# KiCad board UniDebug.kicad_pcb (continued)
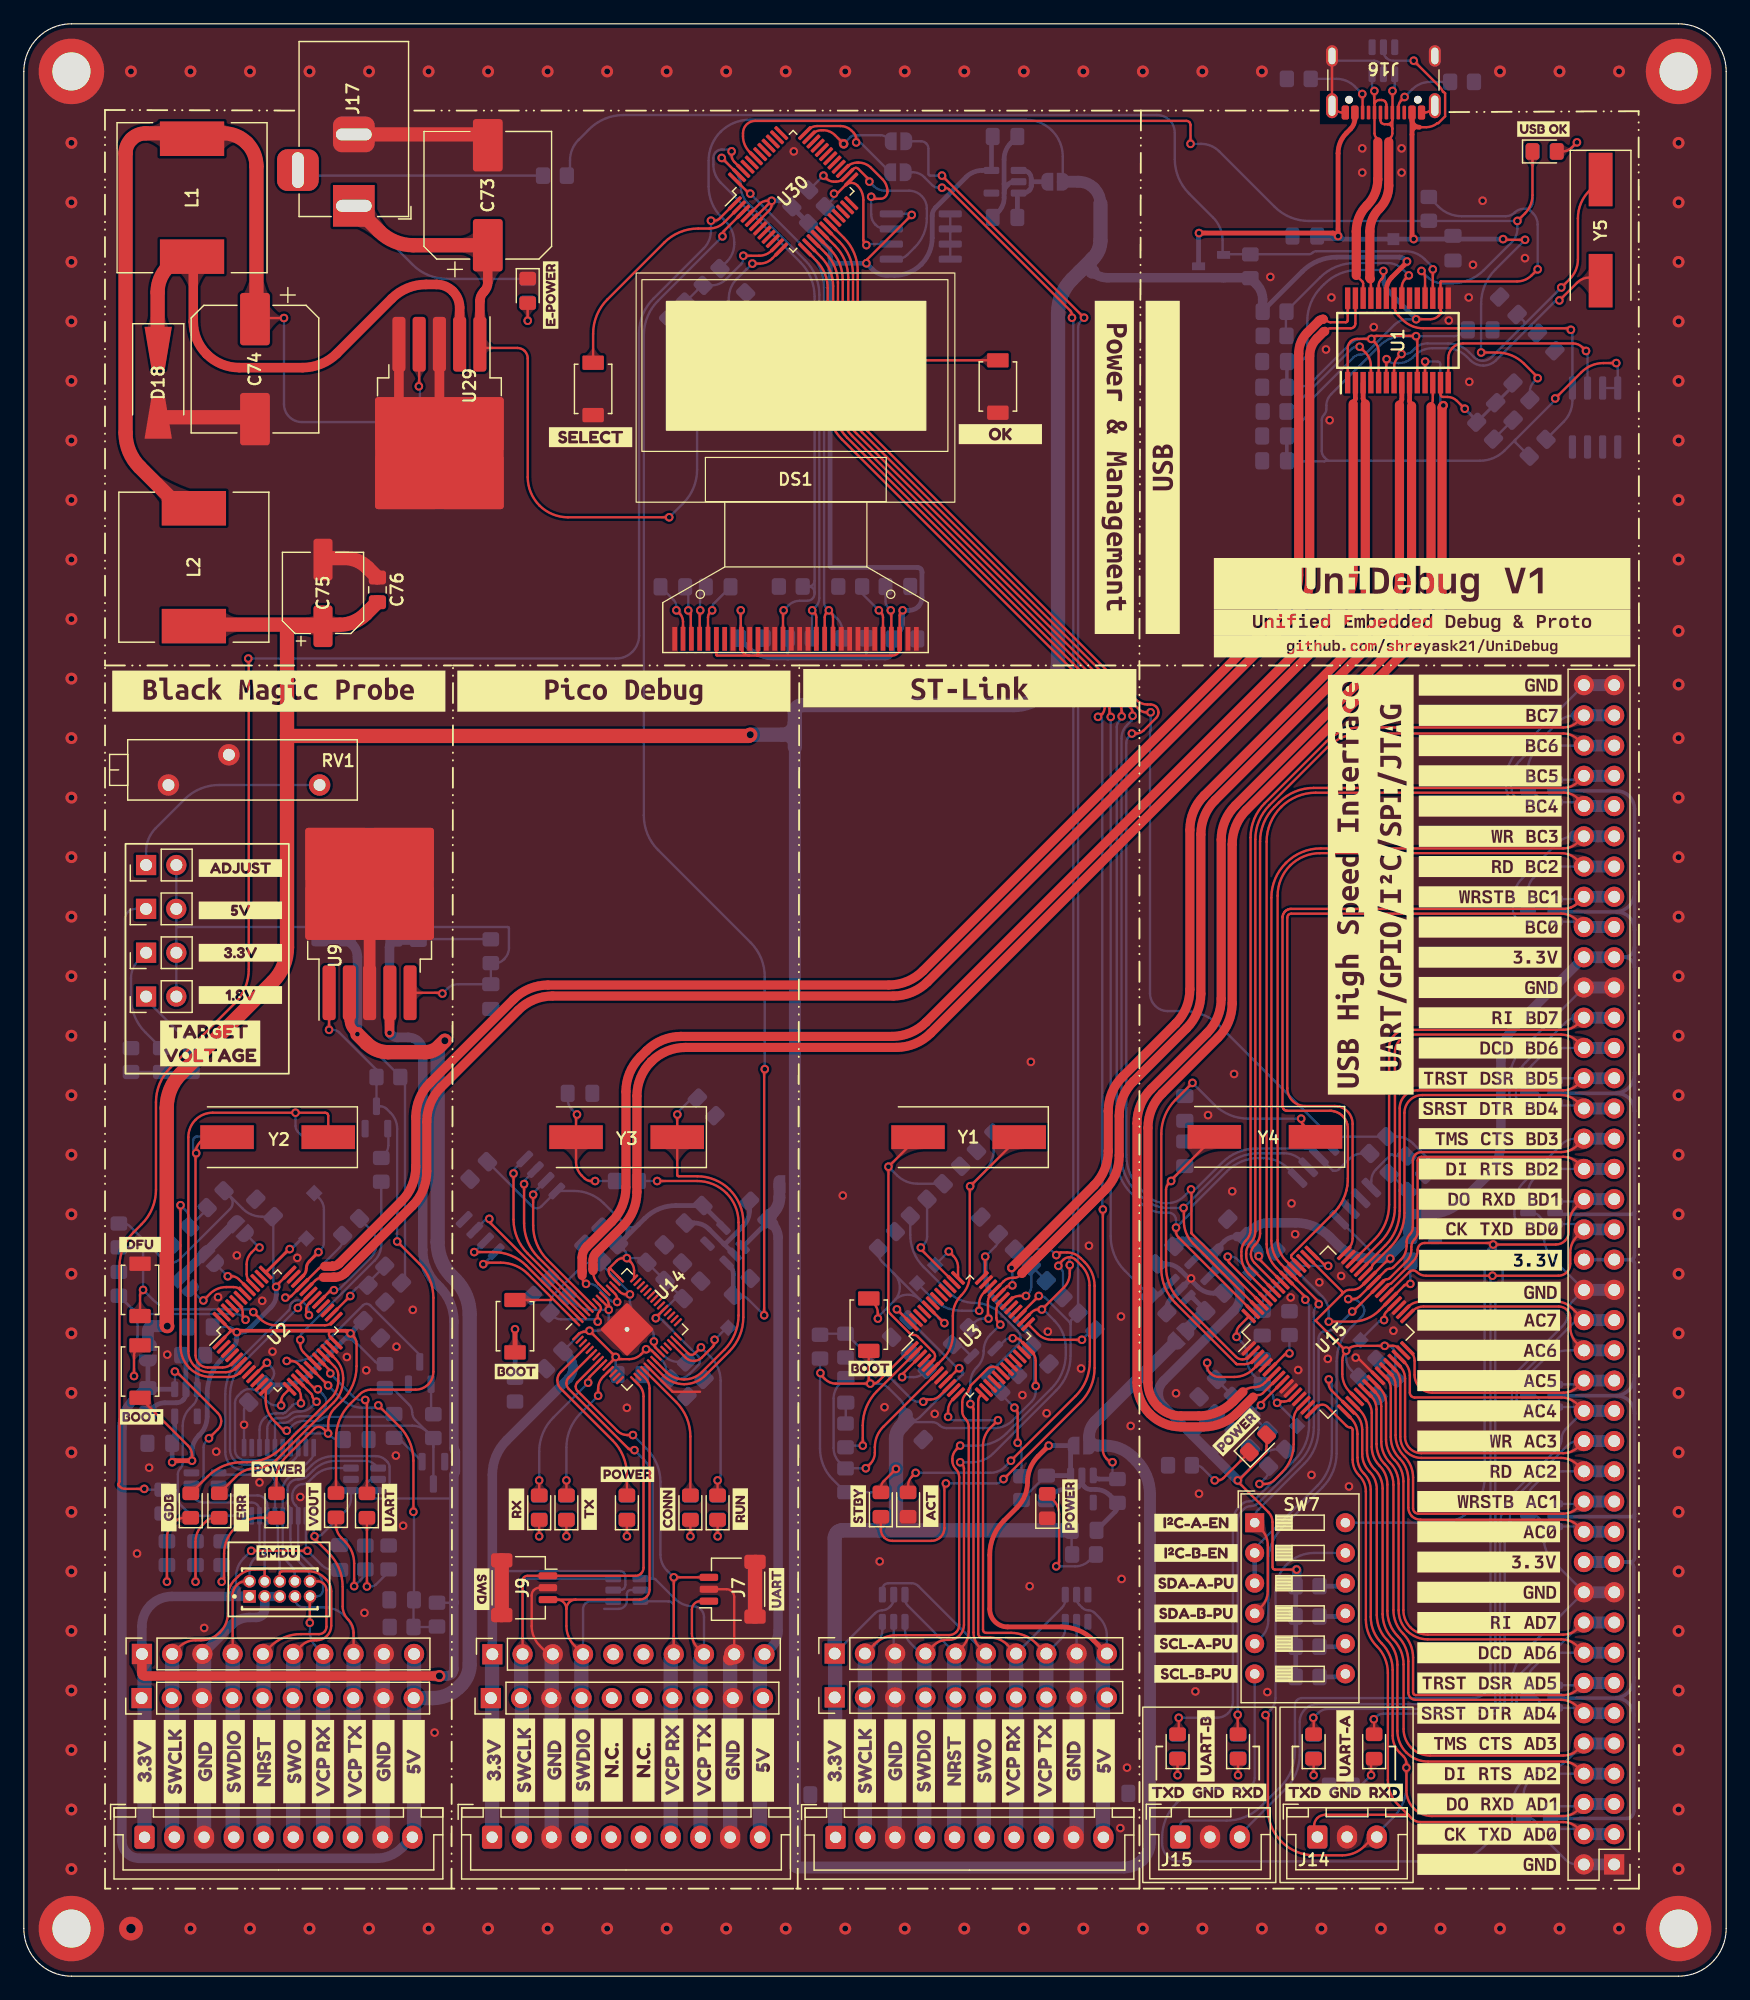
[diagram p0: board, top side]
## Routing (per net, layer and track width the routed paths; a pad name or vN(x,y) marks a point on that pad's centre or on a via; arc(x,y) is an arc through that point) (continued)
Net-(JP13-B): length 7.1
  Top w0.2: v5(68.87,153.92) 68.14,154.65 arc(67.68,154.95) 67.15,155.06 66.99,155.06 arc(66.6,154.98) 66.27,154.76
  Bottom w0.2: v5(68.87,153.92) 69.45,154.5 arc(69.61,154.61) 69.8,154.64 71.95,154.64 arc(72.28,154.58) 72.57,154.39
Net-(JP14-B): length 8.8
  Top w0.2: v1(69.92,154.03) 69.92,154.34 arc(69.87,154.61) 69.71,154.85 69.53,155.02 arc(69.1,155.31) 68.59,155.41 66.63,155.41 arc(66.24,155.34) 65.92,155.12
  Bottom w0.2: v1(69.92,154.03) 70.1,154.03 arc(70.26,154) 70.4,153.91 JP14.2
Net-(Q1-B): length 28.4
  Top w0.2: v1(83.48,44.81) 83.48,47.3 arc(83.45,47.48) 83.35,47.62 v1(83.21,47.76)
  Bottom w0.2: R7.1 74.46,62.28 arc(74.75,60.82) 75.58,59.58 77.71,57.45 arc(78.7,56.79) 79.87,56.56 arc(81.04,56.32) 82.03,55.66 83.47,54.22 arc(83.66,53.94) 83.73,53.61 arc(83.66,53.28) 83.47,53 81.2,50.73 ; R10.1 83.81,44.25 arc(83.76,44.47) 83.64,44.65 v1(83.48,44.81) ; v1(83.21,47.76) 82.07,48.9 ; R9.1 81.12,50.07 arc(81,50.26) 80.95,50.48
Net-(Q1-E): length 1.4
  Bottom w0.2: 78.62,53.06 Q1.2
Net-(Q2-B): length 2.8
  Bottom w0.2: Q2.1 31.45,45.22
Net-(Q3-B): length 2.3
  Bottom w0.2: Q3.1 34.21,47.4
Net-(Q4-B): length 2.2
  Bottom w0.2: 30.62,71.15 30.62,69.8 arc(30.54,69.4) 30.32,69.07
Net-(R32-Pad1): length 6
  Top w0.4: v1(41.26,54.35) SW4.2
  Bottom w0.4: v1(41.26,54.35) 41.26,50.31
Net-(R93-Pad2): length 1.9
  Bottom w0.4: R93.2 110.76,32.76
Net-(R94-Pad2): length 1.9
  Bottom w0.4: 110.76,30.22 R94.2
Net-(R95-Pad2): length 1.9
  Bottom w0.4: R95.2 110.76,27.68
Net-(R96-Pad2): length 1.9
  Bottom w0.4: 110.76,25.14 R96.2
Net-(U1-OVCUR1#): length 16.3
  Top w0.2: v1(116.34,142.87) 116.05,142.57 arc(115.83,142.25) 115.75,141.86 U1.21
  Bottom w0.2: v1(116.34,142.87) 115.83,143.38 arc(115.25,143.77) 114.58,143.9 111.79,143.9 arc(110.22,143.59) 108.9,142.7 106.06,139.87 ; 106.01,137.79 106.01,139.82
Net-(U2-BOOT0): length 22.4
  Top w0.2: v1(18.63,55.14) 18.51,55.26 arc(18.42,55.38) 18.39,55.54 18.39,55.73 arc(18.33,56.06) 18.14,56.34 ; v1(9.26,50.41) 9.26,52.12 arc(9.32,52.46) 9.51,52.74
  Bottom w0.2: v1(9.26,50.41) 9.26,53.02 arc(9.3,53.22) 9.41,53.39 arc(9.52,53.56) 9.56,53.75 9.56,54.56 arc(9.37,55.51) 8.84,56.31 R21.2 8.76,56.39 arc(9.61,55.82) 10.62,55.62 17.81,55.62 arc(18.12,55.56) 18.39,55.38 v1(18.63,55.14)
Net-(U2-NRST): length 22.1
  Top w0.2: v1(13.16,64.76) 13.16,52.9 arc(13.36,51.92) 13.91,51.09 arc(14.75,50.53) 15.73,50.33 17.25,50.33 arc(17.75,50.43) 18.17,50.72
  Bottom w0.2: 15.41,64.44 14.3,63.32 arc(14.06,63.28) 13.93,63.48 arc(13.83,63.96) 13.56,64.37 v1(13.16,64.76)
Net-(U2-PA8): length 9.8
  Top w0.2: v1(26.05,57.62) 25.92,57.62 arc(25.8,57.6) 25.69,57.53 U2.29
  Bottom w0.2: R24.1 29.13,62.71 arc(29.5,62.17) 29.62,61.53 arc(29.5,60.89) 29.13,60.34 26.54,57.75 arc(26.4,57.66) 26.23,57.62 v1(26.05,57.62)
Net-(U2-PB12): length 24.9
  Top w0.2: v1(19.28,55.79) 19.83,55.23 arc(20.45,54.82) 21.18,54.68 25.28,54.68 arc(25.64,54.75) 25.94,54.95 ; SW3.1 9.76,57.22 arc(9.8,57.38) 9.89,57.52 v1(10.02,57.65)
  Bottom w0.2: v1(19.28,55.79) 19.16,55.9 arc(19.03,55.99) 18.89,56.02 12.8,56.02 arc(11.74,56.23) 10.83,56.83 v1(10.02,57.65) 10.02,61.19 arc(10.02,61.21) 10.01,61.21 arc(10,61.22) 9.99,61.22 R25.1
Net-(U2-PD0): length 25.5
  Top w0.2: 15.23,70.48 14.82,70.08 arc(14.53,69.63) 14.42,69.11 14.42,52.16 arc(14.5,51.77) 14.72,51.43 arc(15.05,51.21) 15.45,51.13 16.7,51.13 arc(17.14,51.22) 17.51,51.47
  Bottom w0.2: C11.2 14.56,70.53 arc(14.43,70.51) 14.32,70.43 arc(14.25,70.32) 14.22,70.19 14.22,69.58 arc(14.26,69.41) 14.35,69.26 v1(14.48,69.13)
Net-(U2-PD1): length 41.7
  Top w0.2: Y2.1 25.57,72.28 arc(25.55,72.38) 25.5,72.46 arc(25.41,72.51) 25.32,72.53 15.87,72.53 arc(15.09,72.38) 14.42,71.93 arc(13.98,71.27) 13.82,70.48 13.82,52.5 arc(13.96,51.82) 14.34,51.25 arc(14.91,50.87) 15.59,50.73 16.97,50.73 arc(17.44,50.83) 17.84,51.09
  Bottom w0.2: C12.2 23.56,70.53 arc(23.43,70.56) 23.32,70.63 23.02,70.93 arc(22.87,71.16) 22.82,71.42 v1(22.82,72.53)
Net-(U3-BOOT0): length 18.4
  Top w0.2: v1(71.74,55.24) 71.74,55.7 arc(71.66,56.13) 71.41,56.5 ; v1(77.33,54.86) 76,56.18
  Bottom w0.2: v1(77.33,54.86) 77.29,54.86 arc(77.26,54.86) 77.23,54.88 75.3,56.81 ; 73.18,56.81 71.91,55.54 arc(71.88,55.49) 71.87,55.43 arc(71.86,55.37) 71.82,55.32 v1(71.74,55.24) ; 73.18,56.81 arc(73.58,57.9) 73.06,59.05 ; 73.18,56.81 arc(74.24,57.25) 75.3,56.81 ; 75.3,56.81 73.06,59.05 ; 73.06,59.05 72.09,60.02 arc(71.87,60.35) 71.8,60.72
Net-(U3-NRST): length 20.3
  Top w0.2: v1(70.72,42.66) 71.11,43.04 arc(71.39,43.47) 71.49,43.96 71.49,44.43 arc(71.67,45.37) 72.2,46.16 76.69,50.65
  Bottom w0.2: v1(70.72,42.66) 69.03,42.66 ; R1.2 68.52,43.16 arc(68.15,43.71) 68.02,44.37 68.02,48.51 arc(68.15,49.18) 68.53,49.74 C5.1
Net-(U3-PA0): length 13.6
  Top w0.2: U3.10 76.94,48.76 arc(76.59,48.53) 76.18,48.44 75.88,48.44 arc(75.75,48.42) 75.65,48.35 v1(75.55,48.25)
  Bottom w0.2: 69.07,53.97 74.52,48.52 arc(74.82,48.32) 75.17,48.25 v1(75.55,48.25) ; R4.2 66.97,53.97
Net-(U3-PA9): length 5.8
  Top w0.2: v1(84.19,57.14) 83.63,57.14 arc(83.23,57.06) 82.9,56.84
  Bottom w0.2: v1(84.19,57.14) 84.41,57.36 arc(84.57,57.6) 84.63,57.89 R12.2 R13.2
Net-(U3-PA15): length 8.3
  Top w0.2: U3.38 75.39,61.03 arc(75.36,61.08) 75.35,61.14 v1(75.35,61.21)
  Bottom w0.2: v1(75.35,61.21) 75.61,61.47 arc(75.81,61.76) 75.88,62.11 R7.2
Net-(U3-PB12): length 6.2
  Top w0.2: v1(88.89,53.46) 86.35,53.46 arc(85.72,53.58) 85.18,53.94 U3.25
  Bottom w0.2: v1(88.89,53.46) 89.7,54.28
Net-(U3-PC13): length 10.8
  Top w0.2: v1(70.47,44.57) 70.47,46.26 arc(70.78,47.82) 71.66,49.14 U3.2
  Bottom w0.2: v1(70.47,44.57) 69.17,44.57
Net-(U3-PC14): length 4.2
  Top w0.2: v1(73.78,50.32) 73.78,50.43 arc(73.8,50.54) 73.86,50.63 U3.3
  Bottom w0.2: v1(73.78,50.32) 74.76,50.32 arc(75.19,50.41) 75.55,50.65
Net-(U3-PD0): length 26.6
  Top w0.2: Y1.2 v1(72.63,68) 72.63,56.01 arc(72.67,55.81) 72.78,55.63 74.41,54.01 arc(74.57,53.91) 74.75,53.87 arc(74.94,53.83) 75.1,53.73 76.41,52.41 arc(76.51,52.26) 76.54,52.09 arc(76.51,51.91) 76.41,51.77
  Bottom w0.2: v1(72.63,68) 73.34,67.28 arc(74.13,66.75) 75.07,66.57 C7.2
Net-(U3-PD1): length 27.3
  Top w0.2: Y1.1 v1(79.49,66.35) 79.47,66.34 arc(79.47,66.33) 79.46,66.31 79.46,58.91 arc(79.28,57.98) 78.75,57.19 arc(78.22,56.4) 78.04,55.48 78.04,53.88 arc(77.82,52.78) 77.2,51.84 U3.6
  Bottom w0.2: C6.2 81.49,69.59 arc(81.26,68.45) 80.62,67.48 v1(79.49,66.35)
Net-(U14-XIN): length 34.7
  Top w0.2: v1(54.9,72.38) 54.89,72.38 arc(54.89,72.37) 54.89,72.36 Y3.1 54.89,67.31 arc(54.9,67.27) 54.92,67.23 arc(54.96,67.2) 55.01,67.19 56.57,67.19 arc(58.05,66.9) 59.3,66.06 arc(60.14,64.8) 60.44,63.32 60.44,55.35 arc(60.13,53.78) 59.24,52.46 57.25,50.46 arc(56.43,49.92) 55.47,49.73 arc(54.51,49.92) 53.69,50.46 U14.20
  Bottom w0.2: 56.52,74.16 54.95,72.59 arc(54.91,72.53) 54.9,72.46 v1(54.9,72.38)
Net-(U14-XOUT): length 28.8
  Top w0.2: U14.21 53.98,50.75 arc(54.66,50.29) 55.47,50.13 arc(56.28,50.29) 56.96,50.75 58.84,52.63 arc(59.73,53.95) 60.04,55.51 60.04,63.32 arc(59.77,64.65) 59.02,65.78 arc(57.89,66.53) 56.57,66.79 v1(53.2,66.79)
  Bottom w0.2: v1(53.2,66.79) 51.7,66.79
Net-(U15-OSCI): length 25.2
  Top w0.2: Y4.2 96.4,66.9 arc(96.38,66.87) 96.37,66.84 v1(96.37,66.8) 96.16,66.58 arc(96,66.35) 95.95,66.07 95.95,59.59 arc(96.26,58.03) 97.14,56.71 101.82,52.03 arc(102.07,51.87) 102.36,51.81 arc(102.65,51.87) 102.9,52.03
  Bottom w0.2: v1(96.37,66.8) 97.52,67.94
Net-(U15-OSCO): length 41.6
  Top w0.2: v1(98.17,75.04) 96.74,73.62 arc(95.86,72.29) 95.55,70.73 95.55,59.43 arc(95.86,57.87) 96.74,56.54 101.86,51.42 arc(101.88,51.41) 101.9,51.41 102.54,51.41 arc(102.95,51.49) 103.29,51.72 ; v1(107.3,72.03) 107.3,71.87 arc(107.33,71.72) 107.42,71.59 Y4.1
  Bottom w0.2: v1(107.3,72.03) 102.86,72.03 arc(101.3,72.34) 99.98,73.23 v1(98.17,75.04) 97.52,74.4
Net-(U15-REF): length 3.7
  Top w0.2: U15.6 105.9,52.21 arc(106.02,52.29) 106.16,52.32 v1(106.31,52.32)
  Bottom w0.2: v1(106.31,52.32) R62.1
Net-(U15-VPHY): length 12
  Top w0.2: v1(99.4,51.53) 99.4,51.22 arc(99.46,50.94) 99.62,50.7 99.69,50.63 arc(100.02,50.41) 100.4,50.33 101.67,50.33 arc(102.54,50.51) 103.28,51 U15.4
  Bottom w0.2: v1(99.4,51.53) 99.4,50.9 FB1.2 99.8,50.5
Net-(U15-VPLL): length 5.7
  Top w0.2: U15.9 103.97,48.15 arc(103.93,48.1) 103.92,48.03 v1(103.92,47.96)
  Bottom w0.2: 103.27,47.03 104.75,45.55 ; 103.27,47.43 103.76,47.92 arc(103.8,47.95) 103.86,47.96 v1(103.92,47.96)
Net-(U15-~{PWREN}): length 7.3
  Top w0.2: U15.60 101.27,59.91 arc(101.16,60.06) 101.13,60.24 v1(101.13,60.44)
  Bottom w0.2: TP14.1 103.03,59.12 101.88,60.28 arc(101.66,60.4) 101.42,60.44 v1(101.13,60.44)
Net-(U15-~{RESET}): length 9.4
  Top w0.2: v1(103.79,41.35) 104.25,41.35 arc(104.68,41.43) 105.04,41.67 105.69,42.32 arc(106.41,43.4) 106.67,44.68 106.67,46.73 arc(106.77,47.27) 107.08,47.73
  Bottom w0.2: v1(103.79,41.35) 104.3,41.86 arc(104.49,42.14) 104.56,42.48
Net-(U15-~{SUSPEND}): length 4.4
  Top w0.2: v1(114.26,55.11) 114.26,55.36 arc(114.31,55.6) 114.44,55.8 U15.36
  Bottom w0.2: TP17.1 113.85,55 arc(113.97,55.08) 114.11,55.11 v1(114.26,55.11)
Net-(U29-FB): length 8.4
  Top w0.2: v1(33.18,133.55) 33.2,133.56 arc(33.21,133.57) 33.21,133.59 U29.4
  Bottom w0.2: v1(33.18,133.55) 33.23,133.5 arc(33.26,133.45) 33.27,133.4 33.27,130.55 35.13,130.55
Net-(U30-PA0): length 9.1
  Top w0.2: v1(60.44,144.52) 61.77,144.52 arc(62.34,144.63) 62.83,144.96
  Bottom w0.2: R18.2 56.97,142.03 ; v1(60.44,144.52) 60.44,144.26 arc(60.39,144.01) 60.25,143.81 58.98,142.53 arc(58.42,142.16) 57.77,142.03 R16.1
Net-(U30-PA1): length 9.2
  Top w0.2: U30.12 62.87,144.3 arc(62.39,143.97) 61.82,143.86 v1(61.2,143.86)
  Bottom w0.2: 57.97,138.75 R17.2 59.22,140.95 arc(59.4,141.83) 59.9,142.58 60.68,143.37 arc(60.69,143.37) 60.7,143.37 arc(60.72,143.38) 60.72,143.38 v1(61.2,143.86)
Net-(U30-PB13): length 11.1
  Top w0.2: v1(70.77,145.41) 70.65,145.53 arc(70.55,145.68) 70.52,145.84 70.52,149.21 arc(70.39,149.87) 70.02,150.43 arc(69.51,150.64) 69.01,150.43 68.4,149.82 arc(68.3,149.76) 68.18,149.73 v1(68.06,149.73)
  Bottom w0.2: R92.2 67.93,149.24 arc(68.02,149.38) 68.06,149.55 v1(68.06,149.73) ; v1(70.77,145.41) 70.82,145.45 arc(70.87,145.49) 70.93,145.5 U31.6
Net-(U30-PB14): length 17.3
  Top w0.2: v1(67.17,151.25) 67.42,151 arc(67.7,150.81) 68.03,150.74 68.23,150.74 arc(68.58,150.81) 68.88,151.01 ; 69.43,151.56 69.69,151.82 arc(69.78,151.88) 69.89,151.9 arc(70,151.88) 70.09,151.82 70.98,150.93 arc(71.02,150.88) 71.03,150.81 v1(71.03,150.74)
  Bottom w0.2: v1(71.03,150.74) 71.41,150.36 arc(71.83,150.08) 72.33,149.98 74.35,149.98 arc(75.41,149.54) 75.85,148.48 75.85,147.66 arc(75.59,146.34) 74.85,145.23 74.19,144.57 arc(73.81,144.32) 73.36,144.23 ; v1(67.17,151.25) 65.96,150.04
Net-(U30-PB15): length 9.9
  Top w0.2: v1(71.18,149.47) 71.27,149.39 arc(71.36,149.32) 71.47,149.3 71.95,149.3 arc(72.37,149.47) 72.55,149.9 72.55,149.91 arc(72.43,150.48) 72.11,150.96 71.17,151.91 arc(70.68,152.23) 70.12,152.34 70,152.34 arc(69.54,152.25) 69.15,151.99
  Bottom w0.2: v1(71.18,149.47) 71.18,147.99 arc(71.27,147.52) 71.54,147.13 71.55,147.11 arc(71.93,146.86) 72.38,146.77

## Copper pours and planes (outline as drawn; the poured copper is in the pictures)
GND on Top, Bottom: -38.7,-3.1 177.2,-3.1 177.2,195.7 -38.7,195.7

Small or netless copper shapes (teardrops, artwork), in the pictures only: 572 on Top, 903 on Bottom

## Text on the board
B.Silkscreen: UniDebug © 2023 by Shreyas Kulkarni, / is licensed under CC BY-NC-SA 4.0. / To view a copy of this license, / visit http://creativecommons.org/licenses/by-nc-sa/4.0/ / You must include an attribution.
